# Altium PCB 通讯转换模块-V5.PcbDoc (part 2 of 2)
Units mm, origin at the board's own origin, x right, y up, seen from the top; angles counter-clockwise.
Board outline 99.4 x 81.85 mm, 2 copper layers (Top Layer, Bottom Layer), stack 1.571 mm thick; 115 components, 145 nets, 551 pads, 427 vias.
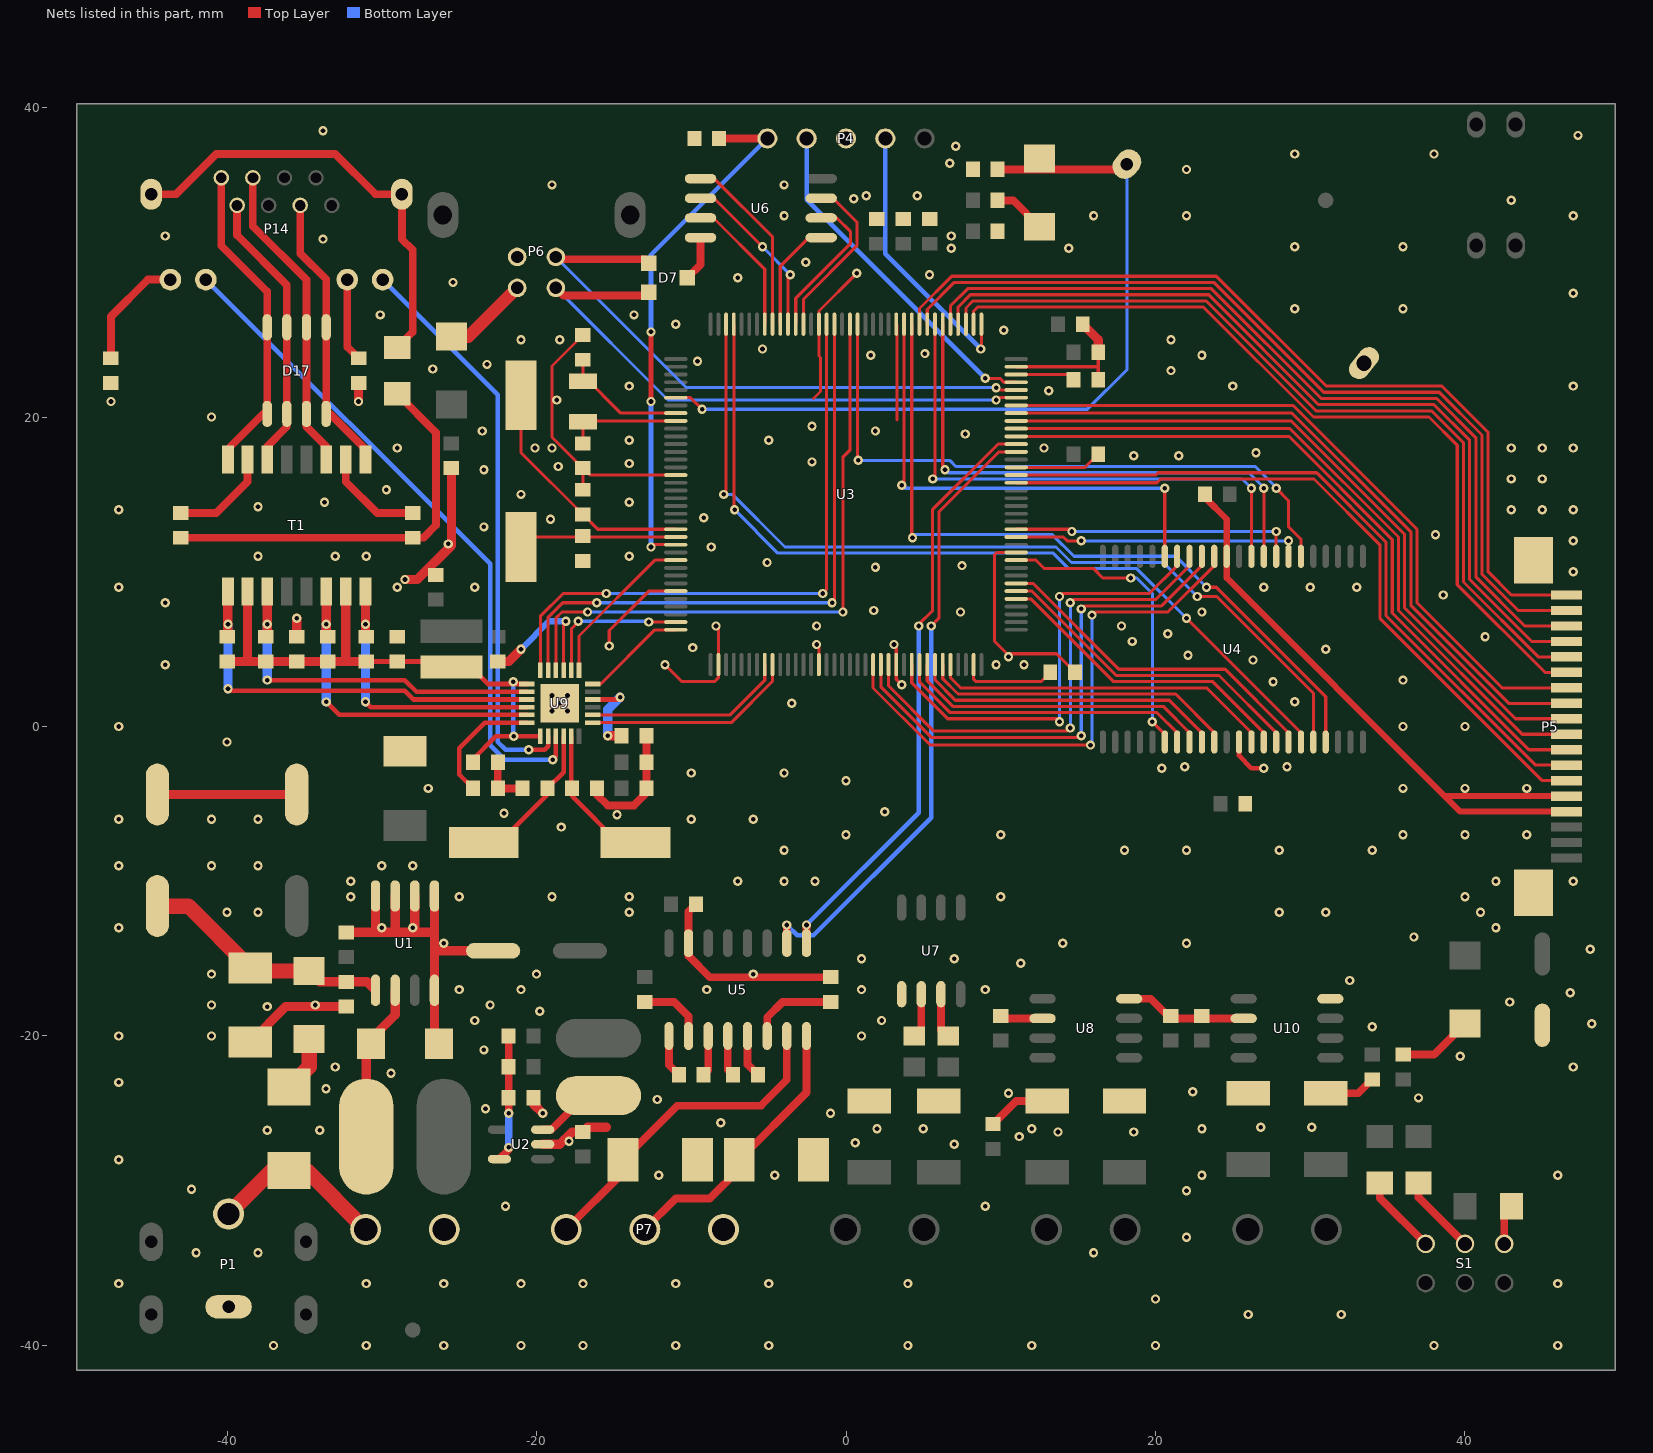
[diagram p2: the nets of this part, all layers, seen from the top]

## Via types
v1: diameter 0.6, hole 0.3, Top Layer to Bottom Layer, tented both sides, 417 vias
v2: diameter 0.8, hole 0.4, Top Layer to Bottom Layer, tented both sides, 8 vias
v3: diameter 1, hole 0.5, Top Layer to Bottom Layer, tented both sides, 2 vias

## Nets (pads, with @x,y where several pads share a name; then routed paths per layer and width w, separated by ;. In a path a pad name is that pad's centre, name@x,y a point inside that pad or via, vN(x,y) a via of type N, cw(c..) or ccw(c..) an arc to the next point about the centre after c; other vN are vias at no path point) (continued)
FSMC-A18: U3.82 U4.28 | length 19.6
  Top Layer w0.2: U3.82@11,10.75 12.278,10.75 12.828,10.2 16,10.2 16.6,9.6 v1(18.4,9.6) ; v1(19.8,0.3) 20.599,-0.499 U4.28@20.599,-1
  Bottom Layer w0.2: v1(18.4,9.6) 18.8,9.6 19.8,8.6 v1(19.8,0.3)
FSMC-D0: U3.85 U4.7 | length 18.7
  Top Layer w0.2: U3.85@11,12.25 14.05,12.25 14.3,12 v1(15.2,12) ; U4.7@28.6,11 v1(28.6,12)
  Bottom Layer w0.2: v1(15.2,12) v1(28.6,12)
FSMC-D1: U3.86 U4.8 | length 18.5
  Top Layer w0.2: U3.86@11,12.75 14.45,12.75 v1(14.6,12.6) ; v1@14.6,12.75 v1@14.65,12.75 ; U4.8@27.8,11 v1@27.8,12.6
  Bottom Layer w0.2: v1(14.6,12.6) v1(27.8,12.6)
FSMC-D2: U3.114 U4.9 | length 35
  Top Layer w0.2: U3.114@6.25,26 6.25,16.75 v1(6.4,16.6) ; U4.9@27,11 v1(27,15.4)
  Bottom Layer w0.2: v1(6.4,16.6) 6.6,16.4 26.049,16.4 27,15.449 v1(27,15.4)
FSMC-D3: U3.115 U4.10 | length 35.3
  Top Layer w0.2: v1(5.6,16) 5.75,16.15 U3.115@5.75,26 ; U4.10@26.2,11 v1(26.2,15.4)
  Bottom Layer w0.2: v1(5.6,16) 25.6,16 v1(26.2,15.4)
FSMC-D4: U3.58 U4.13 | length 35.6
  Top Layer w0.2: U3.58@1.75,4 1.75,2.493 5.443,-1.2 v1(15.8,-1.2) ; v1(15.9,7.2) 16.1,7.4 20.8,7.4 23.8,10.4 U4.13@23.8,11
  Bottom Layer w0.2: v1(15.8,-1.2) v1@15.9,-1.1 ; v1@15.9,-1.3 v1@15.9,-1.1 ; v1(15.9,7.2) v1@15.9,-1.1
FSMC-D5: U3.59 U4.14 | length 33.5
  Top Layer w0.2: U3.59@2.25,4 2.25,2.559 5.509,-0.7 15.1,-0.7 v1(15.2,-0.6) ; v1(15.2,7.6) 15.4,7.8 20.4,7.8 23,10.4 U4.14@23,11
  Bottom Layer w0.2: v1(15.2,-0.6) v1(15.2,7.6)
FSMC-D6: U3.60 U4.15 | length 31.8
  Top Layer w0.2: U3.60@2.75,4 2.75,2.625 5.675,-0.3 14.3,-0.3 v1(14.5,-0.1) ; v1(14.5,8) 14.7,8.2 20,8.2 22.2,10.4 U4.15@22.2,11
  Bottom Layer w0.2: v1(14.5,-0.1) v1(14.5,8)
FSMC-D7: U3.63 U4.16 | length 28.9
  Top Layer w0.2: U3.63@4.25,4 4.25,2.822 6.572,0.5 13.6,0.5 v1(13.8,0.3) ; v1(13.8,8.4) 14,8.6 19.6,8.6 21.4,10.4 U4.16@21.4,11
  Bottom Layer w0.2: v1(13.8,0.3) v1(13.8,8.4)
FSMC-D8: U3.64 U4.29 | length 19.7
  Top Layer w0.2: U3.64@4.75,4 4.75,2.887 6.737,0.9 20.1,0.9 21.4,-0.4 U4.29@21.4,-1
FSMC-D9: U3.65 U4.30 | length 20
  Top Layer w0.2: U3.65@5.25,4 5.25,2.953 6.903,1.3 20.5,1.3 22.2,-0.4 U4.30@22.2,-1
FSMC-D10: U3.66 U4.31 | length 20.2
  Top Layer w0.2: U3.66@5.75,4 5.75,3.019 7.069,1.7 20.9,1.7 23,-0.4 U4.31@23,-1
FSMC-D11: U3.67 U4.32 | length 20.5
  Top Layer w0.2: U3.67@6.25,4 6.25,3.084 7.234,2.1 21.3,2.1 23.8,-0.4 U4.32@23.8,-1
FSMC-D12: U3.68 U4.35 | length 22.4
  Top Layer w0.2: U3.68@6.75,4 6.75,3.15 7.4,2.5 23.3,2.5 26.2,-0.4 U4.35@26.2,-1
FSMC-D13: U3.77 U4.36 | length 20.2
  Top Layer w0.2: U3.77@11,8.25 11.95,8.25 17.3,2.9 23.7,2.9 27,-0.4 U4.36@27,-1
FSMC-D14: U3.78 U4.37 | length 21.2
  Top Layer w0.2: U3.78@11,8.75 12.016,8.75 17.466,3.3 24.1,3.3 27.8,-0.4 U4.37@27.8,-1
FSMC-D15: U3.79 U4.38 | length 22.2
  Top Layer w0.2: U3.79@11,9.25 12.081,9.25 17.631,3.7 24.5,3.7 28.6,-0.4 U4.38@28.6,-1
FSMC-NBL0: U3.141 U4.39 | length 55.2
  Top Layer w0.2: U3.141@-7.25,26 -7.25,14.05 v1(-7.2,14) ; v1(22,7) 29.401,-0.401 U4.39@29.401,-1
  Bottom Layer w0.2: v1(-7.2,14) -4.4,11.2 13.403,11.2 14.403,10.2 18.8,10.2 v1(22,7)
FSMC-NBL1: U3.142 U4.40 | length 57.8
  Top Layer w0.2: v1(-7.9,15) -7.8,15 -7.75,15.05 U3.142@-7.75,26 ; v1@22.6,8.4 v1(22.7,8.4) 23.969,8.4 30.201,2.168 U4.40@30.201,-1
  Bottom Layer w0.2: v1(-7.9,15) -7.346,15 -3.946,11.6 13.569,11.6 14.569,10.6 20.5,10.6 v1(22.7,8.4)
FSMC-NE3: U3.125 U4.6 | length 41.6
  Top Layer w0.2: U3.125@0.75,26 0.75,17.25 v1(0.8,17.2) ; v1(27.8,15.4) 28.6,14.6 28.6,12.901 29.401,12.1 U4.6@29.401,11
  Bottom Layer w0.2: v1(0.8,17.2) 6.7,17.2 7.1,16.8 26.449,16.8 v1@27.8,15.449
FSMC-NOE: U3.118 U4.41 | length 47.6
  Top Layer w0.2: v1@4.25,12.25 U3.118@4.25,26 ; v1@23.5,9 23.934,9 31.001,1.934 U4.41@31.001,-1
  Bottom Layer w0.2: v1(4.3,12.2) 4.5,12.4 13.334,12.4 14.734,11 21.3,11 v1(23.3,9)
FSMC-NWE: U3.119 U4.17 | length 31.9
  Top Layer w0.2: v1(3.6,15.6) 3.75,15.75 U3.119@3.75,26 ; U4.17@20.599,11 v1(20.599,15.4)
  Bottom Layer w0.2: v1(3.6,15.6) 3.8,15.4 v1(20.599,15.4)
GND: B1.2 C1.2 C2.2 C3.2 C4.1 C5.1 C6.1 C7.1 C8.1 C9.1 C11.1 C12.1 C13.1 C14.1 C15.1 C16.2 C17.2 C18.2 C19.2 C22.1 C24.1 C25.1 C26.1 C27.1 C28.1 C29.1 C31.2 C32.2 C34.1 C35.1 C36.1 C37.1 C38.2 C39.1 C40.1 C41.1 C42.1 C43.1 D2.1 D3.1 D4.1 D7.3 D8.1 D9.1 D11.1 D12.1 D13.1 D14.1 D15.1 D16.1 P1.2 P2.2 P4.3 P5.4 P5.5 P5.19 P5.20 P6.4 P7.3 R2.1 R8.1 R15.2 R19.2 R20.2 R21.1 R22.1 R23.1 U1.4 U1.5 U1.6 U1.7 U1.8 U2.2 U3.16 U3.31 U3.38 U3.51 U3.61 U3.83 U3.94 U3.107 U3.120 U3.130 U4.12 U4.34 U5.15 U6.4 U7.5 U8.2 U8.8 U9.25 U10.2 U10.8 | length 228.7
  Top Layer w0.2: C16.2@-17,15.3 C19.2@-17,16.7 ; C18.2@-17,25.3 -19,23.3 -19,18.7 C19.2@-17,16.7 ; v1(-15.3,5.2) -15.3,6.2 -12.75,8.75 U3.31@-11,8.75 ; v1(-11.7,4) -10.6,2.9 -8.5,2.9 -8.25,3.15 U3.38@-8.25,4 -8.25,6.35 v1(-8.4,6.5) ; U3.16@-11,16.25 -16.55,16.25 C19.2@-17,16.7 ; -2.1,21.2 -1.65,21.65 -1.65,23.85 -1.75,23.95 U3.130@-1.75,26 -1.75,26.85 v1(0.7,29.3) ; U3.51@-1.75,4 v1@-1.75,5.15 ; v1@3.2,5.2 3.25,5.15 U3.61@3.25,4 3.25,3.05 v1(3.6,2.7) ; U3.120@3.25,26 3.3,25.95 3.3,19.8 ; U3.83@11,11.25 9.75,11.25 9.6,11.1 9.6,5.5 10.4,4.7 13.6,4.7 C13.1@14.8,3.5 ; U3.94@11,16.75 15.45,16.75 C26.1@16.3,17.6 ; U3.107@11,23.25 16.25,23.25 ; C14.1@16.3,22.4 C36.1@16.3,24.2
  Top Layer w0.3: U4.34@25.4,-1 25.4,-1.9 26.2,-2.7 v1(27,-2.7)
  Top Layer w0.4: C39.1@23.2,15 23.2,14.8 24.6,13.4 U4.12@24.6,11 24.6,9.607 38.707,-4.5 ; P5.4@46.575,-5.5 39.707,-5.5 38.707,-4.5 ; P5.5@46.575,-4.5 38.707,-4.5
  Top Layer w0.5: C29.1@-22.5,-2.3 R19.2@-22.5,-4 C32.2@-20.9,-4 ; C31.2@-16.1,-4 -16.1,-4.4 -15.4,-5.1 -13.7,-5.1 -12.9,-4.3 C35.1@-12.9,-4 C34.1@-12.9,-2.3 R15.2@-12.9,-0.6 ; D7.3@-10.25,29 -9.4,29.85 U6.4@-9.4,31.595 ; C22.1@-9.7,-11.5 -10.175,-11.975 U5.15@-10.175,-14 -10.175,-14.825 -8.8,-16.2 C24.1@-1,-16.2 ; R8.1@9.5,-25.7 11,-24.2 D13.1@13,-24.2 ; C9.1@10,-18.7 10.165,-18.865 U8.2@12.7,-18.865 ; U8.8@18.3,-17.595 19.695,-17.595 20.965,-18.865 U10.2@25.7,-18.865 ; D16.1@31,-23.7 33.1,-23.7 C25.1@34,-22.8
  Top Layer w0.6: C1.2@-44.5,-4.4 C2.2@-35.5,-4.4 ; D2.1@-38.5,-20.4 -36.2,-18.1 C4.1@-32.3,-18.1 ; C28.1@-35.5,5.8 v1(-35.5,7) ; C5.1@-32.3,-13.3 -26.795,-13.3 ; v1(-31.5,21) R20.2@-31.5,22.2 ; -30.405,-13.205 U1.8@-30.405,-10.952 ; -29.135,-13.165 U1.7@-29.135,-10.952 ; v1(-28.5,9.5) -27.7,9.5 -25.5,11.7 C7.1@-25.5,16.7 ; v1@-27.865,-13.165 U1.6@-27.865,-10.952 ; D4.1@-26.595,-20.205 U1.4@-26.595,-17.048 -26.595,-14.5 ; U1.5@-26.595,-10.952 -26.595,-14.5 ; C3.2@-22.1,-14.5 -26.595,-14.5 ; R2.1@-20.2,-24 -20.2,-24.4 v1(-19.6,-25) ; U2.2@-19.6,-27 -18.5,-27 -18.2,-26.7 -17.7,-26.2 C6.1@-17,-26.2 -16.7,-25.9 -15.5,-25.9 ; C37.1@15.3,26 16.3,25 C36.1@16.3,24.2
  other v1: -37,-40 -31,-40 -26,-40 -21,-40 -17,-40 -11,-40 -5,-40 4,-40 12,-40 20,-40 38,-40 46,-40 26,-38 32,-38 20,-37 -47,-36 -31,-36 -26,-36 -21,-36 -17,-36 -11,-36 -5,-36 4,-36 46,-36 -42,-34 -38,-34 16,-34 22,-33 -22,-31 9,-31 22,-30 -42.3,-29.9 -12.1,-29 -4.6,-29 23,-29 46,-29 -47,-28 7,-27 0.6,-26.9 -17.9,-26.8 11.2,-26.5 13.7,-26.2 18.6,-26.2 -37.4,-26.1 -34,-26.1 2,-26 5,-26 12,-26 23,-26 26.8,-25.9 30.1,-25.9 -8.1,-25.6 -1,-25 -23.3,-24.7 -12.2,-24.1 37,-24 10.5,-23.7 22.4,-23.6 -33.6,-23.4 -47,-23 -29.4,-22.4 -33,-22 47,-22 39.7,-21.3 -23.4,-20.9 -47,-20 -41,-20 1,-20 34,-19.4 48.2,-19.2 -24,-19 2.3,-19 -19.8,-18.4 -37.4,-18.1 -41,-18 -34.3,-18 -23,-18 42.9,-17.8 46.8,-17.2 -25,-17 -21,-17 -9,-17 1,-17 9,-17 32.551,-16.413 -41,-16 -20,-16 -6,-16 11.3,-15.3 1,-15 7,-15 48.1,-14.4 -26,-14 14,-14 22,-14 36.7,-13.6 -47,-13 -30,-13 -28,-13 42,-13 -40,-12 -38,-12 -14,-12 28,-12 31,-12 41,-12 -32,-11 -25,-11 -19,-11 -14,-11 10,-11 40,-11 -32,-10 -7,-10 -4,-10 -2,-10 42,-10 47,-10 -47,-9 -41,-9 -38,-9 -30,-9 -28,-9 -4,-8 18,-8 22,-8 28,-8 34,-8 0,-7 10,-7 36,-7 40,-7 44,-7 -18.4,-6.5 -47,-6 -41,-6 -38,-6 -10,-6 -6,-6 -14.8,-5.7 -22.1,-5.6 2.5,-5.5 -27,-4 36,-4 40,-4 44,-4 0,-3.5 -10,-3 -4,-3 20.4,-2.7 21.9,-2.6 28.5,-2.6 -40,-1 -47,0 36,0 40,0 -19,1 -18,1 -18.5,1.5 -3.5,1.5 29,1.6 -19,2 -18,2 27.6,2.9 36,3 -44,4 9.7,4 11.5,4 26.3,4.3 10.5,4.5 22.1,4.6 31,5 -9.9,5.1 -1.9,5.3 3.1,5.3 18.5,5.5 41.3,5.8 20.8,6 -1.9,6.5 17.8,6.5 7.4,7.4 23,7.4 1.8,7.5 -44,8 38.6,8.5 -47,9 -29,9 -24,9 27,9 30,9 33,9 47,10 1.9,10.3 7.5,10.4 -5.1,10.6 -38,11 -33,11 -31,11 -14,11 -8.7,11.6 -25.7,11.8 47,12 38.1,12.4 -23.4,12.9 -19.1,13.4 -9.2,13.5 -47,14 43,14 45,14 47,14 -38,14.2 -33.7,14.5 -14,14.5 -21,15 -29.7,15.3 43,16 45,16 -23.4,16.6 -18.6,16.8 -14,17 -2.2,17.1 18.6,17.5 21.5,17.5 26.5,17.7 -29,18 -20.1,18 -19,18 12.8,18 43,18 45,18 47,18 -14,18.5 -5,18.5 7.7,18.9 -23.5,19.1 1.9,19.1 -2.2,19.4 -41,20 -47.5,21 -18.7,21.1 13.1,21.7 -14,22 25,22 47,22 21,23 -26.7,23.1 -23.2,23.4 -9.6,23.6 1.6,24 23,24 5.1,24.1 -5.4,24.4 -21,25 -18.5,25 21,25 10.2,25.6 -11,26 -30.1,26.6 -13.7,26.6 29,27 36,27 47,28 -25.4,28.7 -7,29 5.4,29.2 -2.6,30 6.8,30.9 14.4,30.9 29,31 36,31 -33.8,31.5 -44,31.7 6.8,31.7 -4,33 16,33 22,33 47,33 43,34 0.5,34.1 1.3,34.3 4.6,34.3 -19,35 -4,35 22,36 6.7,36.4 29,37 38,37 7.1,37.5 47.3,38.2 -33.8,38.5
MDC: U3.27 U9.13 | length 10.5
  Top Layer w0.2: U9.13@-17.25,3.625 -17.25,5.85 -12.35,10.75 U3.27@-11,10.75
MDIO: U3.36 U9.12 | length 6.8
  Top Layer w0.2: U9.12@-16.375,2.75 -15.85,2.75 -12.35,6.25 U3.36@-11,6.25
MISO: P5.15 U3.112 | length 55.3
  Top Layer w0.2: U3.112@7.25,26 7.25,27.116 8.034,27.9 23.44,27.9 30.54,20.8 38.003,20.8 40.3,18.503 40.3,9.503 44.303,5.5 P5.15@46.575,5.5
MOSI: P5.16 U3.113 | length 55.8
  Top Layer w0.2: U3.113@6.75,26 6.75,27.181 7.869,28.3 23.605,28.3 30.705,21.2 38.169,21.2 40.7,18.669 40.7,9.669 43.869,6.5 P5.16@46.575,6.5
NetC1_1: C1.1 C4.2 D1.2 D2.2 U1.1 | length 16.8
  Top Layer w0.6: D1.2@-34.7,-15.8 -34,-16.5 C4.2@-32.3,-16.5 -30.953,-16.5 U1.1@-30.405,-17.048 ; U1.1@-30.428,-17.072 -30.405,-17.095 U1.1@-30.405,-17.548
  Top Layer w1: C1.1@-44.5,-11.6 -42.5,-11.6 D2.2@-38.5,-15.6 -38.3,-15.8 D1.2@-34.7,-15.8
NetC10_1: C10.1 R1.1 R2.2 U2.5 | length 8.2
  Top Layer w0.5: U2.5@-22.4,-27.95 -21.8,-27.35 v1(-21.8,-27.2) ; v1(-21.8,-25) R2.2@-21.8,-24 C10.1@-21.8,-20
  Bottom Layer w0.5: v1(-21.8,-27.2) v1(-21.8,-25)
NetC13_2: C13.2 U3.71 | length 6.2
  Top Layer w0.2: U3.71@8.25,4 8.25,3.05 8.4,2.9 12.6,2.9 C13.2@13.2,3.5
NetC14_2: C14.2 U3.106 | length 3.8
  Top Layer w0.2: U3.106@11,22.75 14.35,22.75 C14.2@14.7,22.4
NetC16_1: C16.1 U3.23 Y1.2 | length 15.8
  Top Layer w0.2: Y1.2@-21,21.4 -21,17.7 C16.1@-17,13.7 -16.05,12.75 U3.23@-11,12.75
NetC17_1: C17.1 U3.24 Y1.1 | length 10.3
  Top Layer w0.2: Y1.1@-21,11.6 -20.35,12.25 U3.24@-11,12.25
NetC18_1: C18.1 U3.8 Y2.2 | length 8
  Top Layer w0.2: C18.1@-17,23.7 -17,22.7 -14.55,20.25 U3.8@-11,20.25
NetC19_1: C19.1 U3.9 Y2.1 | length 7.4
  Top Layer w0.2: C19.1@-17,18.3 Y2.1@-17,19.7 -16.95,19.75 U3.9@-11,19.75
NetC20_1: C20.1 U5.3 | length 2.6
  Top Layer w0.5: C20.1@-9.2,-22.5 -8.905,-22.205 U5.3@-8.905,-20
NetC20_2: C20.2 U5.1 | length 2.8
  Top Layer w0.5: U5.1@-11.445,-20 -11.445,-21.855 C20.2@-10.8,-22.5
NetC21_1: C21.1 U5.2 | length 4.5
  Top Layer w0.5: C21.1@-13,-17.8 -11.1,-17.8 -10.175,-18.725 U5.2@-10.175,-20
NetC23_1: C23.1 U5.5 | length 2.8
  Top Layer w0.5: U5.5@-6.365,-20 -6.365,-21.835 C23.1@-5.7,-22.5
NetC23_2: C23.2 U5.4 | length 2.6
  Top Layer w0.5: U5.4@-7.635,-20 -7.635,-22.165 C23.2@-7.3,-22.5
NetC24_2: C24.2 U5.6 | length 5.7
  Top Layer w0.5: U5.6@-5.095,-20 -5.095,-18.795 -4.1,-17.8 C24.2@-1,-17.8
NetC27_2: C27.2 C28.2 C29.2 I1.1 R11.2 R12.2 R13.2 R14.2 T1.2 T1.7 U9.1 U9.19 | length 37.7
  Top Layer w0.3: R14.2@-31,4.2 C27.2@-29,4.2 -24.6,4.2 -23.15,2.75 U9.19@-20.625,2.75 ; C29.2@-24.1,-2.3 -24.1,-2.1 -22.625,-0.625 v1(-21.475,-0.625) U9.1@-19.75,-0.625
  Top Layer w0.6: R11.2@-40,4.2 -38.675,4.2 ; T1.2@-38.675,8.735 -38.675,4.2 ; -32.325,4.275 T1.7@-32.325,8.735 ; R14.2@-31,4.2 R13.2@-33.5,4.2 R12.2@-37.5,4.2 -38.675,4.2
  Bottom Layer w0.3: v1(-21.5,2.9) -21.5,-0.6 v1(-21.475,-0.625)
NetC31_1: C31.1 U9.5 Y3.2 | length 9.2
  Top Layer w0.3: U9.5@-17.75,-0.625 -17.75,-3.95 C31.1@-17.7,-4 -17.7,-4.5 -14.7,-7.5 Y3.2@-13.6,-7.5
NetC32_1: C32.1 U9.4 Y3.1 | length 9.6
  Top Layer w0.3: Y3.1@-23.4,-7.5 -22.4,-7.5 -19.3,-4.4 C32.1@-19.3,-4 -18.25,-2.95 U9.4@-18.25,-0.625
NetC33_1: C33.1 R17.1 R18.2 | length 26.4
  Top Layer w0.5: R17.1@-43,12.2 R18.2@-28,12.2 -27.3,12.2 -26.5,13 -26.5,19 C33.1@-29,21.5
NetD1_1: D1.1 F1.2 | length 3.6
  Top Layer w1: F1.2@-36,-23.3 -34.7,-22 D1.1@-34.7,-20.2
NetD4_2: D4.2 L2.1 U1.2 | length 10.2
  Top Layer w0.6: L2.1@-31,-26.5 -31,-20.5 -29.135,-18.635 U1.2@-29.135,-17.048
NetD5_1: D5.1 R3.1 | length 3.4
  Top Layer w0.5: R3.1@9.8,34 10.8,34 D5.1@12.5,32.3
NetD6_1: D6.1 P6.1 | length 5.6
  Top Layer w0.8: D6.1@-25.5,25.2 -24.395,25.2 P6.1@-21.25,28.345
NetD7_1: D7.1 P6.3 U3.104 | length 39.3
  Top Layer w0.2: v1@9.85,21.75 U3.104@11,21.75
  Top Layer w0.5: P6.3@-18.75,30.345 -18.605,30.2 -13,30.2 D7.1@-12.75,29.95
  Bottom Layer w0.2: P6.3@-18.75,30.345 -10.305,21.9 v1(9.7,21.9)
NetD7_2: D7.2 P6.2 U3.103 | length 38.6
  Top Layer w0.2: v1@9.85,21.25 U3.103@11,21.25
  Top Layer w0.5: P6.2@-18.75,28.345 -18.255,27.85 D7.2@-12.95,27.85
  Bottom Layer w0.2: P6.2@-18.75,28.345 -11.505,21.1 v1(9.7,21.1)
NetD10_2: D10.2 R4.1 | length 4.8
  Top Layer w0.5: R4.1@36,-21.2 38,-21.2 D10.2@40,-19.2
NetD17_1: D17.1 D17.8 P14.1 T1.16 | length 20.6
  Top Layer w0.5: P14.1@-40.37,35.46 -40.37,31.07 -37.405,28.105 D17.8@-37.405,25.8 D17.1@-37.405,20.2 -37.656,20.2 -39.945,17.911 T1.16@-39.945,17.265
NetD17_2: D17.2 D17.7 P14.2 T1.14 | length 18.3
  Top Layer w0.5: P14.2@-39.35,33.68 -39.35,31.75 -36.135,28.535 D17.7@-36.135,25.8 D17.2@-36.135,20.2 -36.135,19.365 -37.405,18.095 T1.14@-37.405,17.265
NetD17_3: D17.3 D17.6 P14.3 T1.11 | length 20.2
  Top Layer w0.5: P14.3@-38.33,35.46 -38.33,32.33 -34.865,28.865 D17.6@-34.865,25.8 D17.3@-34.865,20.2 -34.865,19.365 -33.595,18.095 T1.11@-33.595,17.265
NetD17_4: D17.4 D17.5 P14.6 T1.9 | length 18.3
  Top Layer w0.5: P14.6@-35.27,33.68 -35.27,30.57 -33.595,28.895 D17.5@-33.595,25.8 D17.4@-33.595,20.2 -33.344,20.2 -31.055,17.911 T1.9@-31.055,17.265
NetF1_1: F1.1 P1.1 P2.1 | length 11.6
  Top Layer w1: P1.1@-39.9,-31.5 -37.1,-28.7 F1.1@-36,-28.7 -34.84,-28.7 P2.1@-31.04,-32.5
NetL1_1: L1.1 U2.3 | length 5.5
  Top Layer w0.5: U2.3@-19.6,-26.05 -19.05,-26.05 -16.85,-23.85 L1.1@-15,-23.85
NetP14_9: P14.9 U9.2 | length 37.2
  Top Layer w0.3: v1(-20.5,-1.5) -19.48,-1.5 -19.25,-1.27 U9.2@-19.25,-0.625
  Bottom Layer w0.3: P14.9@-29.94,28.88 -22.5,21.44 -22.5,-1 -22,-1.5 v1(-20.5,-1.5)
NetP14_10: P14.10 R20.1 | length 5.4
  Top Layer w0.5: P14.10@-32.23,28.88 -32.23,24.53 R20.1@-31.5,23.8
NetP14_11: P14.11 U9.3 | length 43.7
  Top Layer w0.3: v1(-18.95,-2.15) -18.75,-1.95 U9.3@-18.75,-0.625
  Bottom Layer w0.3: P14.11@-41.37,28.88 -23,10.51 -23,-1.207 -22.057,-2.15 v1(-18.95,-2.15)
NetP14_12: P14.12 R21.2 | length 7.5
  Top Layer w0.5: R21.2@-47.5,23.8 -47.5,26.5 -45.12,28.88 P14.12@-43.66,28.88
NetR5_2: R5.2 U7.6 | length 2.9
  Top Layer w0.5: R5.2@4.5,-20 4.865,-19.635 U7.6@4.865,-17.3
NetR6_2: R6.2 S1.6 | length 5.2
  Top Layer w0.5: R6.2@34.5,-29.5 34.5,-30.47 S1.6@37.46,-33.43
NetR7_2: R7.2 U7.7 | length 2.9
  Top Layer w0.5: U7.7@6.135,-17.3 6.135,-19.635 R7.2@6.5,-20
NetR9_2: R9.2 S1.5 | length 5.2
  Top Layer w0.5: R9.2@37,-29.5 37,-30.43 S1.5@40,-33.43
NetR10_2: R10.2 S1.4 | length 2.6
  Top Layer w0.5: S1.4@42.54,-33.43 42.54,-31.46 R10.2@43,-31
NetR11_1: R11.1 T1.1 U9.21 | length 26.7
  Top Layer w0.3: v1@-40,2.3 -28.514,2.3 -27.964,1.75 U9.21@-20.625,1.75
  Top Layer w0.6: R11.1@-40,5.8 -39.945,5.855 T1.1@-39.945,8.735
  Bottom Layer w0.6: v1(-39.94,2.44) v1(-39.94,6.6)
NetR12_1: R12.1 T1.3 U9.20 | length 23.7
  Top Layer w0.3: v1(-37.4,3) -28.507,3 -27.757,2.25 U9.20@-20.625,2.25
  Top Layer w0.6: R12.1@-37.5,5.8 -37.405,5.895 T1.3@-37.405,8.735
  Bottom Layer w0.6: v1(-37.4,3) v1(-37.4,6.6)
NetR13_1: R13.1 T1.6 U9.23 | length 21.3
  Top Layer w0.3: v1(-33.59,1.59) -32.75,0.75 U9.23@-20.625,0.75
  Top Layer w0.6: T1.6@-33.595,8.735 -33.595,5.895 R13.1@-33.5,5.8
  Bottom Layer w0.6: v1(-33.59,1.59) v1(-33.59,6.6)
NetR14_1: R14.1 T1.8 U9.22 | length 18.5
  Top Layer w0.3: v1(-31.05,1.6) -30.7,1.25 U9.22@-20.625,1.25
  Top Layer w0.6: T1.8@-31.055,8.735 -31.055,5.855 R14.1@-31,5.8
  Bottom Layer w0.6: v1(-31.05,1.6) v1(-31.05,6.6)
NetR15_1: R15.1 U9.10 | length 5.6
  Top Layer w0.3: U9.10@-16.375,1.75 v1@-14.5,1.75
  Top Layer w0.6: v1(-15.4,-0.6) R15.1@-14.5,-0.6
  Bottom Layer w0.6: v1(-15.4,-0.6) -15.4,1.1 v1(-14.6,1.9)
NetR16_1: R16.1 U9.15 | length 8.7
  Top Layer w0.2: U9.15@-18.25,3.625 -18.25,6.65 v1(-18.1,6.8)
  Top Layer w0.6: R16.1@-22.5,4.2 -21.8,4.2 v1(-21,5)
  Bottom Layer w0.4: v1(-21,5) -19.2,6.8 v1(-18.1,6.8)
NetR17_2: R17.2 T1.15 | length 6.6
  Top Layer w0.5: R17.2@-43,13.8 -40.7,13.8 -38.675,15.825 T1.15@-38.675,17.265
NetR18_1: R18.1 T1.10 | length 6.6
  Top Layer w0.5: T1.10@-32.325,17.265 -32.325,15.825 -30.3,13.8 R18.1@-28,13.8
NetR19_1: R19.1 U9.24 | length 8
  Top Layer w0.3: R19.1@-24.1,-4 -25,-3.1 -25,-1.4 -23.35,0.25 U9.24@-20.625,0.25
NRST: C15.2 P4.5 U3.25 | length 34.2
  Top Layer w0.2: v1@-12.55,11.75 U3.25@-11,11.75
  Top Layer w0.3: v1(-12.6,21) v1(-12.6,25.5)
  Top Layer w0.5: C15.2@-8.2,38 P4.5@-5.08,38
  Bottom Layer w0.3: v1(-12.6,11.6) v1(-12.6,21) ; v1(-12.6,25.5) -12.6,30.48 P4.5@-5.08,38
PE: C33.2 P14.13 P14.14 | length 29
  Top Layer w0.5: P14.14@-44.9,34.4 -43.3,34.4 -40.7,37 -33,37 -30.4,34.4 P14.13@-28.7,34.4 -28.7,31.5 -28,30.8 -28,25.5 C33.2@-29,24.5
REFCLKO: U3.35 U9.14 | length 9.7
  Top Layer w0.2: U9.14@-17.75,3.625 -17.75,6.301 -17.3,6.751 v1(-17.3,6.8) ; v1(-12.75,6.75) U3.35@-11,6.75
  Bottom Layer w0.2: v1(-17.3,6.8) -12.8,6.8 v1(-12.75,6.75)
RS232-RXD: U3.97 U5.9 | length 38.6
  Top Layer w0.2: v1(4.7,6.5) 4.7,6.6 5.6,7.5 5.6,14.031 9.819,18.25 U3.97@11,18.25
  Top Layer w0.5: U5.9@-2.555,-14 v1(-2.555,-12.825)
  Bottom Layer w0.3: v1(-2.555,-12.825) 4.7,-5.57 v1(4.7,6.5)
RS232-TXD: U3.96 U5.10 | length 40.5
  Top Layer w0.2: v1(5.5,6.5) 6,7 6,13.866 9.884,17.75 U3.96@11,17.75
  Top Layer w0.5: U5.10@-3.825,-14 v1(-3.825,-12.825)
  Bottom Layer w0.3: v1(-3.825,-12.825) -3.15,-13.5 -2.1,-13.5 5.5,-5.9 v1(5.5,6.5)
RS/AO: P5.11 U3.101 | length 46.1
  Top Layer w0.2: U3.101@11,20.25 28.827,20.25 36.5,12.577 36.5,7.828 42.828,1.5 P5.11@46.575,1.5
RXD: D9.2 P7.2 U5.8 | length 18.1
  Top Layer w0.5: P7.2@-13,-32.5 -11,-30.5 -8.8,-30.5 -6.9,-28.6 D9.2@-6.9,-28 -2.555,-23.655 U5.8@-2.555,-20
RXD0: U3.44 U9.8 | length 13.1
  Top Layer w0.2: U9.8@-16.375,0.75 -7.484,0.75 -5.25,2.984 U3.44@-5.25,4
RXD1: U3.45 U9.7 | length 13.8
  Top Layer w0.2: U9.7@-16.375,0.25 -7.419,0.25 -4.75,2.919 U3.45@-4.75,4
SCK: P5.14 U3.111 | length 54.9
  Top Layer w0.2: U3.111@7.75,26 7.75,27.05 8.2,27.5 23.274,27.5 30.374,20.4 37.837,20.4 39.9,18.337 39.9,9.337 44.737,4.5 P5.14@46.575,4.5
SPI-C\S\: U3.136 U6.1 | length 11.9
  Top Layer w0.2: U6.1@-9.4,35.405 -8.505,35.405 -4.75,31.65 U3.136@-4.75,26
SPI-CLK: U3.133 U6.6 | length 9.7
  Top Layer w0.2: U3.133@-3.25,26 -3.25,27.684 0.3,31.234 0.3,31.966 -0.599,32.865 U6.6@-1.6,32.865
SPI-DI: U3.134 U6.2 | length 11.2
  Top Layer w0.2: U6.2@-9.4,34.135 -8.535,34.135 v1(-5.4,31) ; U3.134@-3.75,26 v1@-3.75,29.25
  Bottom Layer w0.2: v1(-5.4,31) v1@-3.5,29.1
  other v1: -3.6,29.2
SPI-DO: U3.135 U6.5 | length 7.2
  Top Layer w0.2: U3.135@-4.25,26 -4.25,29.75 -2.405,31.595 U6.5@-1.6,31.595
SPI-H\O\L\D\: U3.132 U6.7 | length 11
  Top Layer w0.2: U3.132@-2.75,26 -2.75,27.619 0.7,31.069 0.7,32.6 -0.835,34.135 U6.7@-1.6,34.135
SPI-W\P\: U3.137 U6.3 | length 9.1
  Top Layer w0.2: U6.3@-9.4,32.865 -8.565,32.865 -5.25,29.55 U3.137@-5.25,26
SWCLK: P4.2 U3.109 | length 17.8
  Top Layer w0.2: v1(8.7,24.4) 8.75,24.45 U3.109@8.75,26
  Bottom Layer w0.3: P4.2@2.54,38 2.54,30.56 v1(8.7,24.4)
SWDIO: P4.4 U3.105 | length 22.4
  Top Layer w0.2: v1(9,22.5) 9.949,22.5 10.199,22.25 U3.105@11,22.25
  Bottom Layer w0.3: P4.4@-2.54,38 -2.54,34.04 v1(9,22.5)
TXD: D8.2 P7.1 U5.7 | length 21.6
  Top Layer w0.5: P7.1@-18.08,-32.5 -14.4,-28.82 D8.2@-14.4,-28 -10.9,-24.5 -5.5,-24.5 -3.825,-22.825 U5.7@-3.825,-20
TXD0: U3.128 U9.17 | length 40.1
  Top Layer w0.2: U9.17@-19.25,3.625 -19.25,7.064 -18.314,8 v1@-16.2,8 ; v1(-0.9,8) -0.75,8.15 U3.128@-0.75,26
  Bottom Layer w0.2: v1(-16.1,8) v1(-0.9,8)
TXD1: U3.129 U9.18 | length 39.9
  Top Layer w0.2: U9.18@-19.75,3.625 -19.75,7.13 -18.28,8.6 v1(-15.5,8.6) ; v1(-1.5,8.6) -1.25,8.85 U3.129@-1.25,26
  Bottom Layer w0.2: v1(-15.5,8.6) v1(-1.5,8.6)
TXEN: U3.126 U9.16 | length 41.1
  Top Layer w0.2: U9.16@-18.75,3.625 -18.75,6.999 -18.349,7.4 v1(-16.7,7.4) v1@-16.5,7.4 ; v1(-0.2,7.4) -0.2,17.4 0.25,17.85 U3.126@0.25,26
  Bottom Layer w0.2: v1(-16.7,7.4) v1(-0.2,7.4)
VBAT: B1.1 C12.2 D5.2 U3.6 | length 52.3
  Top Layer w0.2: U3.6@-11,21.25 -10.05,21.25 v1(-9.3,20.5)
  Top Layer w0.5: C12.2@9.8,36 17.812,36 B1.1@18.154,36.342
  Bottom Layer w0.2: v1(-9.3,20.5) 15.6,20.5 18.154,23.054 B1.1@18.154,36.342
屏幕CS: P5.17 U3.116 | length 57.1
  Top Layer w0.2: U3.116@5.25,26 5.25,26.95 7,28.7 23.771,28.7 30.871,21.6 38.334,21.6 41.1,18.834 41.1,9.834 43.434,7.5 P5.17@46.575,7.5
按键-上: P5.8 U3.98 | length 46.7
  Top Layer w0.2: U3.98@11,18.75 28.63,18.75 35.3,12.08 35.3,7.331 44.131,-1.5 P5.8@46.575,-1.5
按键-下: P5.9 U3.99 | length 46.5
  Top Layer w0.2: U3.99@11,19.25 28.696,19.25 35.7,12.246 35.7,7.497 43.697,-0.5 P5.9@46.575,-0.5
按键-中: P5.7 U3.93 | length 46.2
  Top Layer w0.2: U3.93@11,16.25 20.035,16.25 20.185,16.4 30.414,16.4 34.9,11.914 34.9,7.166 44.566,-2.5 P5.7@46.575,-2.5
按键-右: P5.10 U3.100 | length 46.3
  Top Layer w0.2: U3.100@11,19.75 28.761,19.75 36.1,12.411 36.1,7.663 43.263,0.5 P5.10@46.575,0.5
按键-左: P5.6 U3.92 | length 46.5
  Top Layer w0.2: U3.92@11,15.75 20.101,15.75 20.351,16 30.249,16 34.5,11.749 34.5,7 45,-3.5 P5.6@46.575,-3.5
背光使能: P5.18 U3.117 | length 57.5
  Top Layer w0.2: U3.117@4.75,26 4.75,27.016 6.834,29.1 23.937,29.1 31.037,22 38.5,22 41.5,19 41.5,10 43,8.5 P5.18@46.575,8.5
触摸CS: P5.13 U3.110 | length 54.3
  Top Layer w0.2: U3.110@8.25,26 8.25,26.85 8.5,27.1 23.108,27.1 30.208,20 37.672,20 39.5,18.172 39.5,9.172 45.172,3.5 P5.13@46.575,3.5
触摸中断: P5.12 U3.102 | length 45.9
  Top Layer w0.2: U3.102@11,20.75 28.893,20.75 36.9,12.743 36.9,7.994 42.394,2.5 P5.12@46.575,2.5
pads on no net: N1.1 N2.1 P1.3 P6.5 P14.4 P14.5 P14.7 P14.8 T1.4 T1.5 T1.12 T1.13 U3.1 U3.2 U3.3 U3.4 U3.5 U3.7 U3.18 U3.19 U3.20 U3.21 U3.22 U3.26 U3.28 U3.29 U3.34 U3.37 U3.40 U3.41 U3.42 U3.46 U3.47 U3.75 U3.76 U3.91 U3.122 U3.123 U3.124 U3.127 U5.11 U5.12 U5.13 U5.14

## Polygon pours and split planes (outlines as drawn)
GND on Top Layer "Mechanical 15-No Net" (solid, remove dead copper, pour order 0): -49.7,40.25 -49.7,-41.6 49.7,-41.6 49.7,40.25
GND on Bottom Layer "Mechanical 15-No Net" (solid, remove dead copper, pour order 2): -49.7,40.25 -49.7,-41.6 49.7,-41.6 49.7,40.25

## Keep-outs
Keep-Out Layer:
  circle w0.1: c35.5,-17 r1.05
  circle w0.1: c35.5,17 r1.05
  circle w0.1: c-44.5,17 r1.05
  circle w0.1: c-44.5,-17 r1.05
  circle w0.1: c-42.5,25 r1.6
  circle w0.1: c42.5,25 r1.6
  circle w0.1: c42.5,-25 r1.6
  circle w0.1: c-42.5,-25 r1.6
  lines w0.1: -49.7,-41.6 49.7,-41.6 49.7,40.25 -49.7,40.25 -49.7,-41.6

## Other copper
Top Layer:
  rectangle net 3.3V: -18.5,-19.6 -14.5,-14.5
  region net GND: -18.8,-27.3 -18,-27.3 -17.3,-26.6 -17.3,-26.3 -17.6,-26.3 -17.7,-26.2
  pour cut-out: 35.5,-18.7 ccw(c35.5,-17) 37.2,-17 ccw(c35.5,-17) 35.5,-15.3 ccw(c35.5,-17) 33.8,-17 ccw(c35.5,-17)
  pour cut-out: 35.5,15.3 ccw(c35.5,17) 37.2,17 ccw(c35.5,17) 35.5,18.7 ccw(c35.5,17) 33.8,17 ccw(c35.5,17)
  pour cut-out: -44.5,15.3 ccw(c-44.5,17) -42.8,17 ccw(c-44.5,17) -44.5,18.7 ccw(c-44.5,17) -46.2,17 ccw(c-44.5,17)
  region net 3.3V: -22.1,6 -22.1,6.7 -23.3,7.9 -24.3,7.9 -25.4,6.8 -25.15,5.8
  pour cut-out: -44.5,-18.7 ccw(c-44.5,-17) -42.8,-17 ccw(c-44.5,-17) -44.5,-15.3 ccw(c-44.5,-17) -46.2,-17 ccw(c-44.5,-17)
  pour cut-out: 38.5,25 ccw(c42.5,25) 42.5,21 ccw(c42.5,25) 46.5,25 ccw(c42.5,25) 42.5,29 ccw(c42.5,25)
  pour cut-out: 38.5,-25 ccw(c42.5,-25) 42.5,-29 ccw(c42.5,-25) 46.5,-25 ccw(c42.5,-25) 42.5,-21 ccw(c42.5,-25)
  pour cut-out: -46.5,-25 ccw(c-42.5,-25) -42.5,-29 ccw(c-42.5,-25) -38.5,-25 ccw(c-42.5,-25) -42.5,-21 ccw(c-42.5,-25)
  pour cut-out: -46.5,25 ccw(c-42.5,25) -42.5,21 ccw(c-42.5,25) -38.5,25 ccw(c-42.5,25) -42.5,29 ccw(c-42.5,25)
Bottom Layer:
  pour cut-out: 35.5,-20 ccw(c35.5,-17) 38.5,-17 ccw(c35.5,-17) 35.5,-14 ccw(c35.5,-17) 32.5,-17 ccw(c35.5,-17)
  pour cut-out: 35.5,14 ccw(c35.5,17) 38.5,17 ccw(c35.5,17) 35.5,20 ccw(c35.5,17) 32.5,17 ccw(c35.5,17)
  pour cut-out: -44.5,14 ccw(c-44.5,17) -41.5,17 ccw(c-44.5,17) -44.5,20 ccw(c-44.5,17) -47.5,17 ccw(c-44.5,17)
  pour cut-out: -44.5,-20 ccw(c-44.5,-17) -41.5,-17 ccw(c-44.5,-17) -44.5,-14 ccw(c-44.5,-17) -47.5,-17 ccw(c-44.5,-17)
  pour cut-out: 38.5,25 ccw(c42.5,25) 42.5,21 ccw(c42.5,25) 46.5,25 ccw(c42.5,25) 42.5,29 ccw(c42.5,25)
  pour cut-out: 38.5,-25 ccw(c42.5,-25) 42.5,-29 ccw(c42.5,-25) 46.5,-25 ccw(c42.5,-25) 42.5,-21 ccw(c42.5,-25)
  pour cut-out: -46.5,-25 ccw(c-42.5,-25) -42.5,-29 ccw(c-42.5,-25) -38.5,-25 ccw(c-42.5,-25) -42.5,-21 ccw(c-42.5,-25)
  pour cut-out: -46.5,25 ccw(c-42.5,25) -42.5,21 ccw(c-42.5,25) -38.5,25 ccw(c-42.5,25) -42.5,29 ccw(c-42.5,25)

## Silkscreen, mask and mechanical layers (free items; w line width, h text height)
Top Overlay:
  circle w0.2: c35.5,-17 r1.7
  circle w0.2: c35.5,17 r1.7
  circle w0.2: c-44.5,17 r1.7
  circle w0.2: c-44.5,-17 r1.7
  text "3.3V" at 6.6,38.6 h2
  text "BOOT0" at 38.5,35.4 h1.8 r90
  text "BOOT1" at 46.8,35.4 h1.8 r90
  text "ON=1" at 45.9,30.1 h1.8
  text "OFF=0" at 45,28.6 h1.8
  text "终端电阻" at 48,-40 h3 r90
Bottom Overlay:
  circle w0.2: c35.5,-17 r3
  circle w0.2: c35.5,17 r3
  circle w0.2: c-44.5,17 r3
  circle w0.2: c-44.5,-17 r3
  text "DC24V" at -30.3,-30 h3
  text "RS-232" at -9,-30 h3
  text "RS-485" at 7,-30 h3
  text "CAN1" at 18,-30 h3
  text "CAN2" at 32,-30 h3
  text "24V" at -31.8,-40 h2 r270
  text "GND" at -26.7,-40 h2 r270
  text "TXD" at -18.84,-40 h2 r270
  text "RXD" at -13.74,-40 h2 r270
  text "GND" at -8.66,-40 h2 r270
  text "485-A" at -0.8,-40 h2 r270
  text "485-B" at 4.3,-40 h2 r270
  text "CAN-H" at 12.2,-40 h2 r270
  text "CAN-L" at 17.3,-40 h2 r270
  text "CAN-H" at 25.2,-40 h2 r270
  text "CAN-L" at 30.3,-40 h2 r270
  text "RS485" at 36.8,-41.4 h1.8 r270
  text "CAN1" at 39.4,-41.4 h1.8 r270
  text "CAN2" at 42,-41.4 h1.8 r270
Mechanical 15:
  lines w0.1: -109,0 122,0 ; -54,-43.4 52,-43.4 ; -54,43.4 52,43.4 ; -52,41.7 54,41.7 ; -50.4,17 -44.5,17 ; -45.3,-47.3 -45.3,44.6 ; 0,-103 0,85 ; 44.5,-12.5 44.5,12.5 ; 45.3,-47.3 45.3,44.6
  lines w0.2: -143,-241.5 -55,-241.5 ; -143,-235.5 -55,-235.5 ; -143,-229.5 -55,-229.5 ; -143,-223.5 -55,-223.5 ; -143,-217.5 -55,-217.5 ; -143,-211.5 -55,-211.5 ; -143,-205.5 -55,-205.5 ; -121,-247.5 -121,-199.5 -121,-193.5 ; -52.4,-51 -52.4,55 ; -50.5,-51 -50.5,55 ; -143,-199.5 -143,-193.5 -55,-193.5 -55,-199.5 ; -143,-199.5 -55,-199.5 ; -143,-199.5 -143,-247.5 -55,-247.5 -55,-199.5
  text "公司" at -142,-198.5 h5
  text "杭州久天科技有限公司" at -118,-198.5 h5
  text "工程" at -142,-204.5 h5
  text "设计" at -142,-210.5 h5
  text "邵宁鹏" at -118,-210.5 h5
  text "日期" at -142,-216.5 h5
  text "板厚" at -142,-222.5 h5
  text "1.6mm" at -118,-222.5 h5
  text "阻焊油" at -142,-228.5 h5
  text "绿色" at -118,-228.5 h5
  text "丝印" at -142,-234.5 h5
  text "白色" at -118,-234.5 h5
  text "板材" at -142,-240.5 h5
  text "FR-4" at -118,-240.5 h5
  text "其他" at -142,-246.5 h5
  text "有铅喷锡，过孔盖油" at -118,-246.5 h5

## Dimensions
49.7,-41.6 to 49.7,40.25 on Mechanical 15
-49.7,-41.6 to 49.7,-41.6 on Mechanical 15

## Text inside footprints (layer, text, board x,y; h text height)
P14: Top Overlay "G" at -42.1,32.6 h2 r180; Top Overlay "Y" at -30.6,32.6 h2 r180
S2: Top Overlay "1" at 40.52,32.4 h2